# Altium PCB RaspberryHub.PcbDoc (part 1 of 2)
Units mm, origin at the board's own origin, x right, y up, seen from the top; angles counter-clockwise.
Board outline 210.48 x 102.43 mm, 2 copper layers (Top Layer, Bottom Layer); 158 components, 164 nets, 576 pads, 179 vias.
Unrouted connection lines stored in the file: 31.
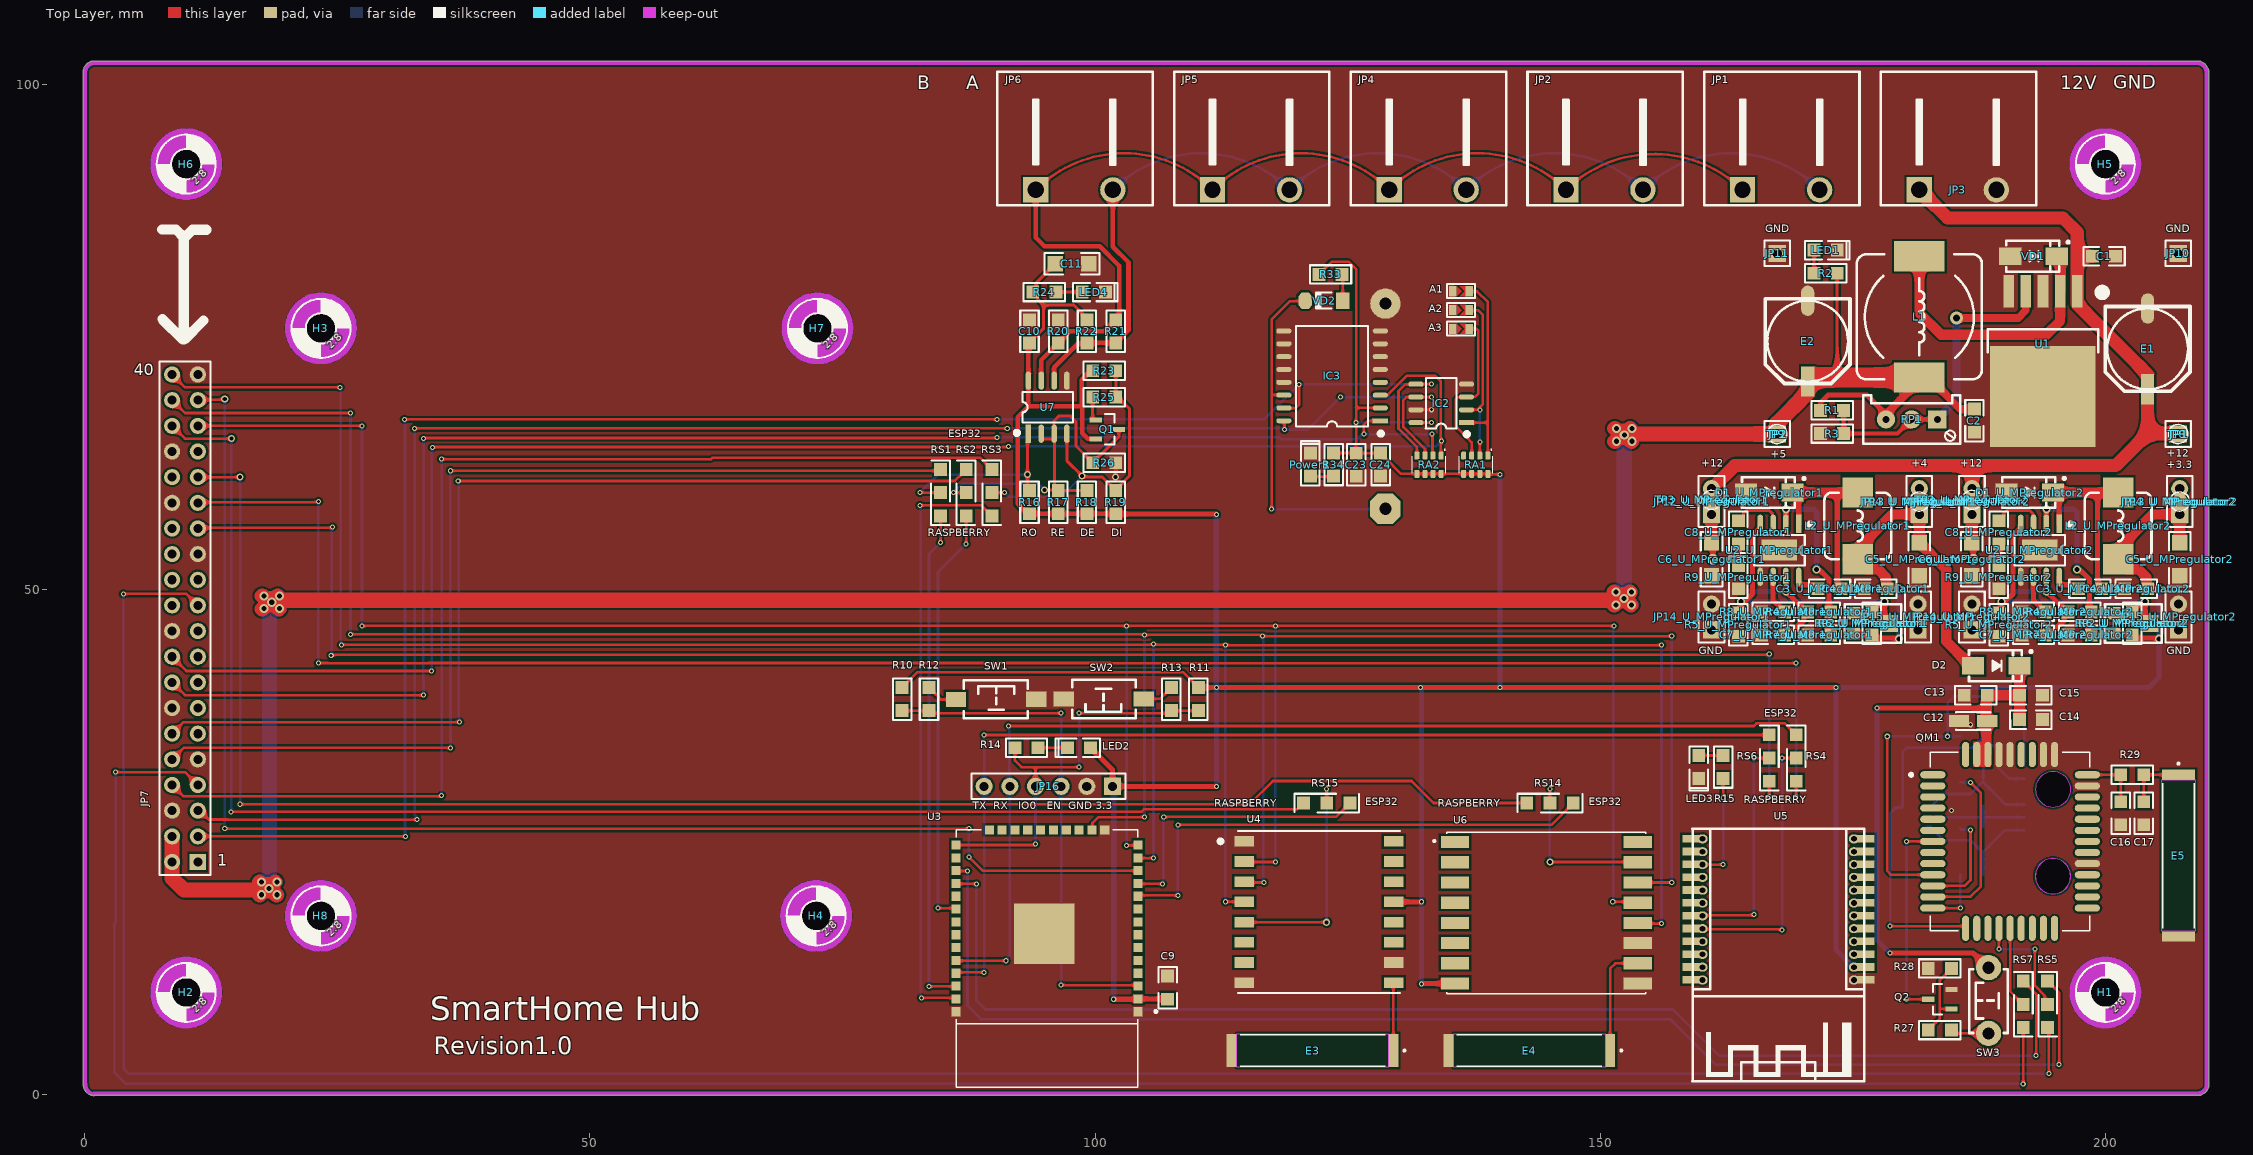
[diagram p0: Top Layer view]
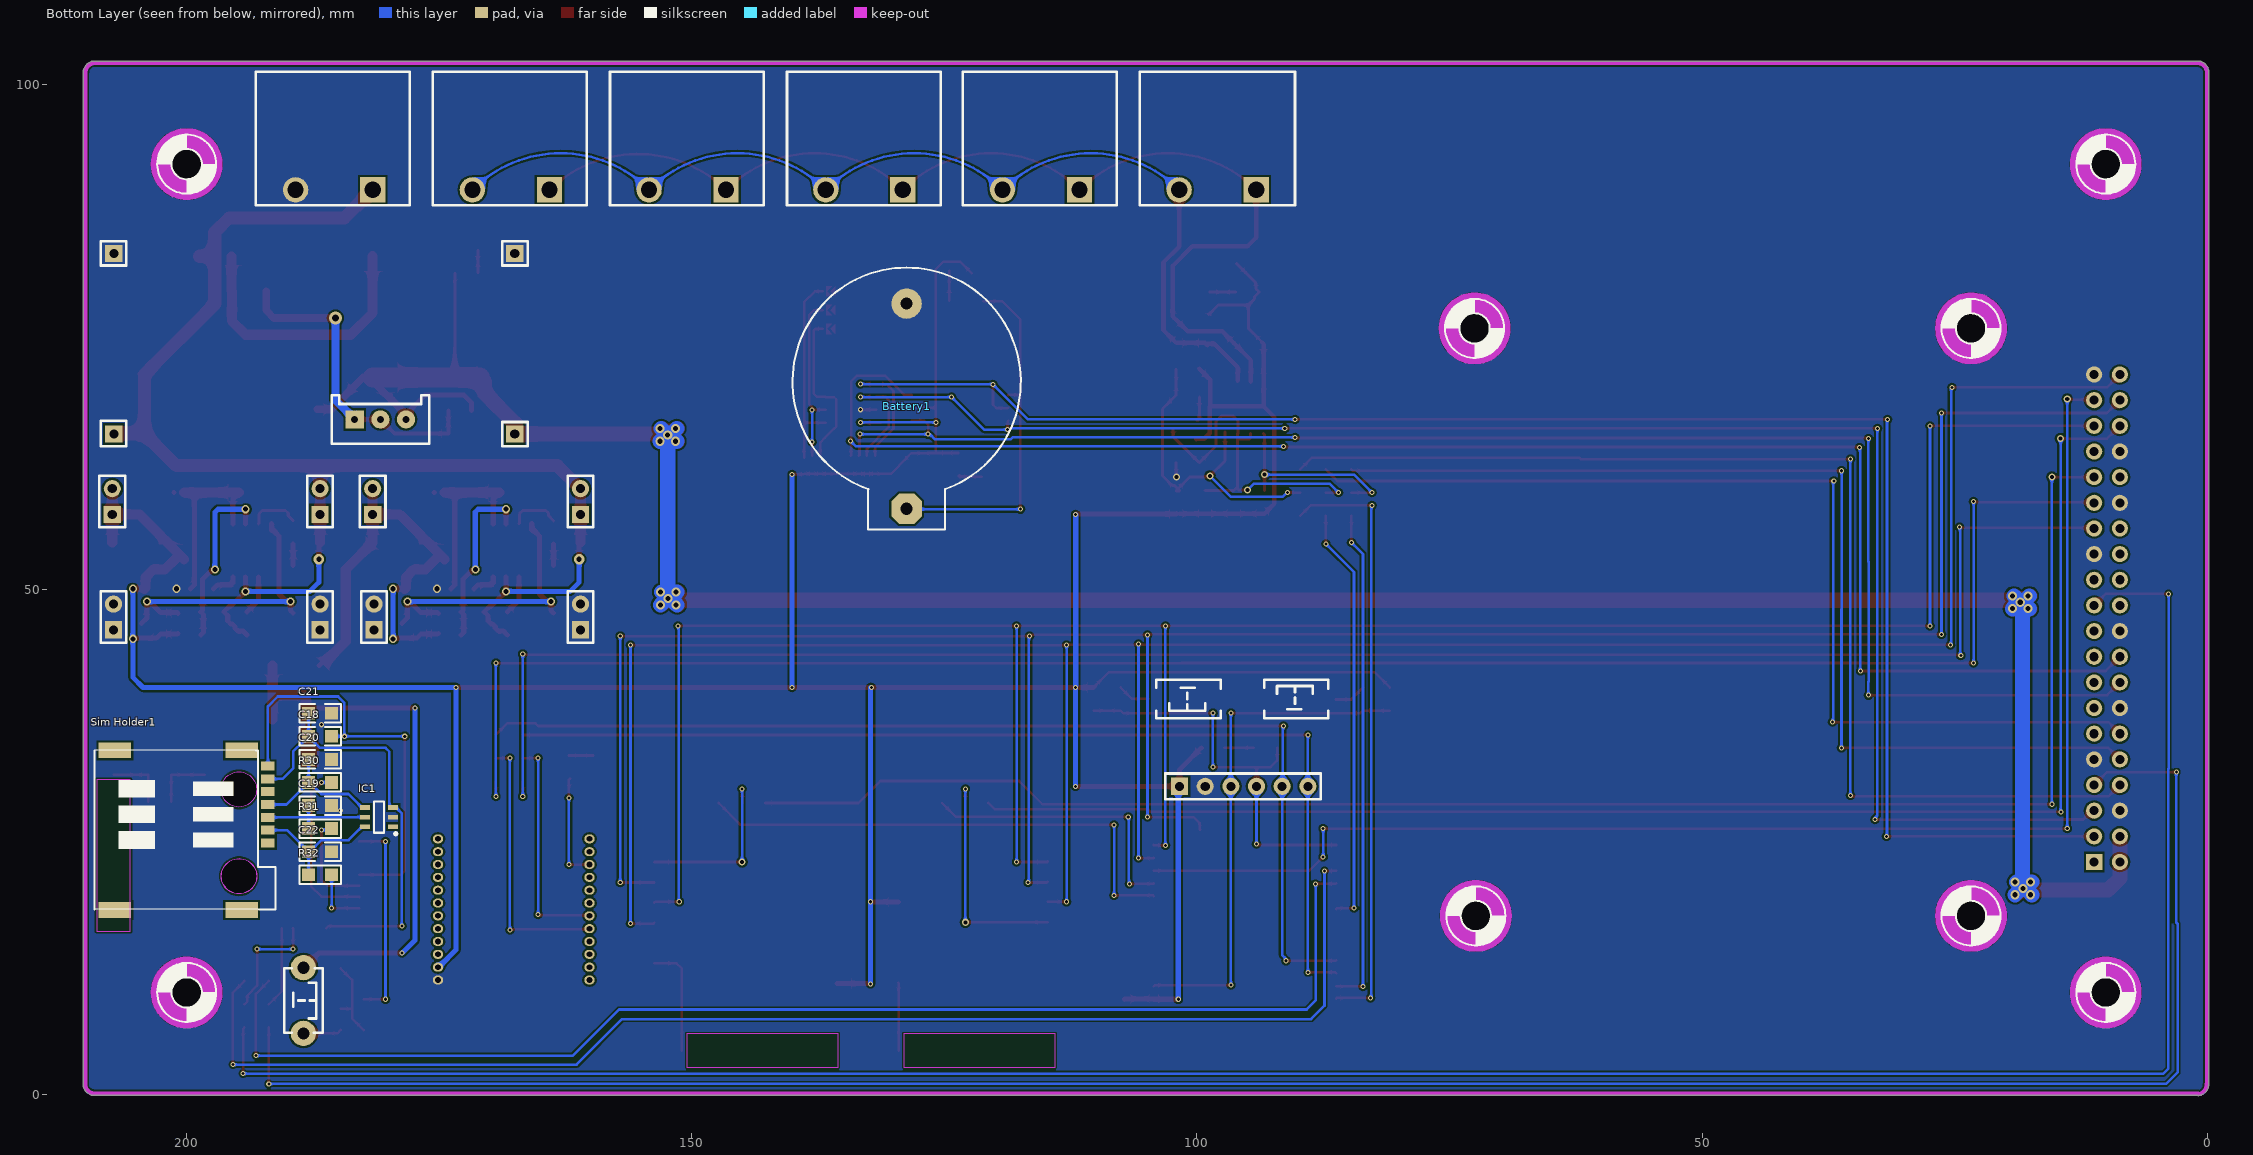
[diagram p1: Bottom Layer view, seen from below]

## Layer stack, top to bottom
Top Solder: solder mask 0.0102, Solder Resist, Dk 3.5
Top Layer: signal copper 0.0356
Dielectric 1: dielectric 0.32, FR-4, Dk 4.8
Bottom Layer: signal copper 0.0356
Bottom Solder: solder mask 0.0102, Solder Resist, Dk 3.5

## Board outline
0.839,-0.14 ccw(c0.861,0.06) 0.938,-0.125 209.068,-0.125 ccw(c209.097,0.073) 209.086,-0.127 ccw(c209.149,1.014) 209.24,-0.125 209.326,-0.125 ccw(c209.326,0.075) 209.437,-0.092 ccw(c209.149,1.014) 210.285,0.887 ccw(c210.086,0.91) 210.286,0.91 ccw(c210.086,0.91) 210.261,1.007 210.261,101.335 ccw(c210.061,101.335) 210.201,101.478 ccw(c209.106,101.148) 209.427,102.245 ccw(c209.321,102.075) 209.321,102.275 209.294,102.275 ccw(c209.107,101.15) 209.233,102.284 ccw(c209.211,102.085) 209.15,102.275 0.701,102.275 ccw(c0.701,102.075) 0.544,102.2 ccw(c0.948,101.13) -0.159,101.416 ccw(c0.011,101.31) -0.189,101.31 -0.189,1.06 ccw(c0.011,1.06) -0.178,0.992 ccw(c0.966,0.997)

## Design rules (kind name [scope] priority, off if disabled: settings)
Clearance "Schematic Clearance Constraint_7" [InComponent('H4')] p1: gap=0 ignorepadtopadclearanceinfootprint=FALSE
Clearance "Schematic Clearance Constraint_6" [InComponent('H8')] p2: gap=0 ignorepadtopadclearanceinfootprint=FALSE
Clearance "Schematic Clearance Constraint_5" [InComponent('H7')] p3: gap=0 ignorepadtopadclearanceinfootprint=FALSE
Clearance "Schematic Clearance Constraint_4" [InComponent('H3')] p4: gap=0 ignorepadtopadclearanceinfootprint=FALSE
Clearance "Schematic Clearance Constraint_3" [InComponent('H1')] p5: gap=0 ignorepadtopadclearanceinfootprint=FALSE
Clearance "Schematic Clearance Constraint_2" [InComponent('H5')] p6: gap=0 ignorepadtopadclearanceinfootprint=FALSE
Clearance "Schematic Clearance Constraint_1" [InComponent('H6')] p7: gap=0 ignorepadtopadclearanceinfootprint=FALSE
Clearance "Schematic Clearance Constraint" [InComponent('H2')] p8: gap=0 ignorepadtopadclearanceinfootprint=FALSE
Clearance [All] p9: gap=0.2 ignorepadtopadclearanceinfootprint=FALSE
ComponentClearance "Schematic Component Clearance Constraint_9" [InComponent('R6_U_MPregulator1')] p1: gap=0 collisioncheckmode=3 verticalgap=0 showdistances=FALSE
ComponentClearance "Schematic Component Clearance Constraint_8" [InComponent('TP3_U_MPregulator1')] p2: gap=0 collisioncheckmode=3 verticalgap=0 showdistances=FALSE
ComponentClearance "Schematic Component Clearance Constraint_7" [InComponent('TP4_U_MPregulator2')] p3: gap=0 collisioncheckmode=3 verticalgap=0 showdistances=FALSE
ComponentClearance "Schematic Component Clearance Constraint_6" [InComponent('RP2_U_MPregulator2')] p4: gap=0 collisioncheckmode=3 verticalgap=0 showdistances=FALSE
ComponentClearance "Schematic Component Clearance Constraint_1" [InComponent('TP1')] p5: gap=0 collisioncheckmode=3 verticalgap=0 showdistances=FALSE
ComponentClearance "Schematic Component Clearance Constraint" [InComponent('TP2')] p6: gap=0 collisioncheckmode=3 verticalgap=0 showdistances=FALSE
ComponentClearance "Schematic Component Clearance Constraint_5" [InComponent('RP2_U_MPregulator1')] p7: gap=0 collisioncheckmode=3 verticalgap=0 showdistances=FALSE
ComponentClearance "Schematic Component Clearance Constraint_4" [InComponent('TP4_U_MPregulator1')] p8: gap=0 collisioncheckmode=3 verticalgap=0 showdistances=FALSE
ComponentClearance "Schematic Component Clearance Constraint_3" [InComponent('R6_U_MPregulator2')] p9: gap=0 collisioncheckmode=3 verticalgap=0 showdistances=FALSE
ComponentClearance "Schematic Component Clearance Constraint_2" [InComponent('TP3_U_MPregulator2')] p10: gap=0 collisioncheckmode=3 verticalgap=0 showdistances=FALSE
ComponentClearance [All] p11: gap=0.254 collisioncheckmode=3 verticalgap=0.254 showdistances=FALSE
MinimumSolderMaskSliver [All] p1 off: minsoldermaskwidth=0.254
PolygonConnect PolygonConnect_2 [All vs IsNamedPolygon('GND_L02_P001')] p1: connectstyle=Direct reliefconductorwidth=0.254 reliefentries=4 polygonreliefangle="90 Angle" airgapwidth=0.254
PolygonConnect PolygonConnect_1 [All vs IsNamedPolygon('GND_L01_P000')] p2: connectstyle=Direct reliefconductorwidth=0.254 reliefentries=4 polygonreliefangle="90 Angle" airgapwidth=0.254
PolygonConnect [All] p3: connectstyle=Relief reliefconductorwidth=0.254 reliefentries=4 polygonreliefangle="90 Angle" airgapwidth=0.254
RoomDefinition U_MPregulator1 [InComponentClass('U_MPregulator1')] p1 off: confinementstyle=ConfineIn formatcopy=TRUE lockcomponents=FALSE outline 159.385,44.069 183.261,44.069 183.261,61.595 159.385,61.595
RoomDefinition U_DS3231 [InComponentClass('U_DS3231')] p2 off: confinementstyle=ConfineIn formatcopy=TRUE lockcomponents=FALSE outline 116.967,55.499 140.462,55.499 140.462,82.55 116.967,82.55
RoomDefinition U_LM2596 [InComponentClass('U_LM2596')] p3 off: confinementstyle=ConfineIn formatcopy=TRUE lockcomponents=FALSE outline 208.915,84.963 165.862,84.963 165.862,63.627 208.915,63.627
RoomDefinition U_MPregulator2 [InComponentClass('U_MPregulator2')] p4 off: confinementstyle=ConfineIn formatcopy=TRUE lockcomponents=FALSE outline 185.166,44.069 209.042,44.069 209.042,61.595 185.166,61.595
RoomDefinition U_LORA [InComponentClass('U_LORA')] p5 off: confinementstyle=ConfineIn formatcopy=TRUE lockcomponents=FALSE outline 111.76,1.905 131.191,1.905 131.191,26.67 111.76,26.67
RoomDefinition U_RF [InComponentClass('U_RF')] p6 off: confinementstyle=ConfineIn formatcopy=TRUE lockcomponents=FALSE outline 133.132,9.425 133.132,26.483 155.675,26.483 155.675,9.425
RoomDefinition U_ZIGBEE [InComponentClass('U_ZIGBEE')] p7 off: confinementstyle=ConfineIn formatcopy=TRUE lockcomponents=FALSE outline 156.845,0.889 177.546,0.889 177.546,37.719 156.845,37.719
RoomDefinition Main [InComponentClass('Main')] p8 off: confinementstyle=ConfineIn formatcopy=TRUE lockcomponents=FALSE outline -0.381,103.632 5.715,103.632 5.715,107.823 -0.381,107.823
RoomDefinition U_ESP32 [InComponentClass('U_ESP32')] p9 off: confinementstyle=ConfineIn formatcopy=TRUE lockcomponents=FALSE outline 79.756,0.127 112.141,0.127 112.141,41.529 79.756,41.529
RoomDefinition U1_MAX485 [InComponentClass('U1_MAX485')] p10 off: confinementstyle=ConfineIn formatcopy=TRUE lockcomponents=FALSE outline 103.886,56.134 103.886,85.598 91.567,85.598 91.567,56.134
RoomDefinition U_QUECTEL [InComponentClass('U_QUECTEL')] p11 off: confinementstyle=ConfineIn formatcopy=TRUE lockcomponents=FALSE outline 178.562,4.318 209.804,4.318 209.804,44.323 178.562,44.323
RoutingVias [All] p1: holewidth=0.5 width=0.9 viastyle="Through Hole" minholewidth=0.4 minwidth=0.7 maxholewidth=0.711 maxwidth=1.27
ShortCircuit [All] p1: allowed=TRUE
SilkToSilkClearance [All] p1 off: silktosilkclearance=0.254
SilkToSolderMaskClearance [IsPad] p1 off: minsilkscreentomaskgap=0.254 clearancetoexposedcopper=TRUE
SolderMaskExpansion [All] p1: expansion=0.102 istentingtop=FALSE
Width [All] p1: maxlimit=5 minlimit=0.254 preferedwidth=0.5
25 further rules are at their usual default settings.

## Classes and differential pairs
channel class MPregulator: U_MPregulator1 U_MPregulator2
component class U_MPregulator1: C3_U_MPregulator1 C4_U_MPregulator1 C5_U_MPregulator1 C6_U_MPregulator1 C7_U_MPregulator1 C8_U_MPregulator1 D1_U_MPregulator1 JP12_U_MPregulator1 JP13_U_MPregulator1 JP14_U_MPregulator1 JP15_U_MPregulator1 L2_U_MPregulator1 R4_U_MPregulator1 R5_U_MPregulator1 R6_U_MPregulator1 R7_U_MPregulator1 R8_U_MPregulator1 R9_U_MPregulator1 RP2_U_MPregulator1 TP3_U_MPregulator1 TP4_U_MPregulator1 U2_U_MPregulator1
component class U_DS3231: A1 A2 A3 Battery1 C23 C24 IC2 IC3 Power1 R33 R34 RA1 RA2 VD2
component class U_LM2596: C1 C2 E1 E2 JP8 JP9 JP10 JP11 L1 LED1 R1 R2 R3 RP1 TP1 TP2 U1 VD1
component class U_MPregulator2: C3_U_MPregulator2 C4_U_MPregulator2 C5_U_MPregulator2 C6_U_MPregulator2 C7_U_MPregulator2 C8_U_MPregulator2 D1_U_MPregulator2 JP12_U_MPregulator2 JP13_U_MPregulator2 JP14_U_MPregulator2 JP15_U_MPregulator2 L2_U_MPregulator2 R4_U_MPregulator2 R5_U_MPregulator2 R6_U_MPregulator2 R7_U_MPregulator2 R8_U_MPregulator2 R9_U_MPregulator2 RP2_U_MPregulator2 TP3_U_MPregulator2 TP4_U_MPregulator2 U2_U_MPregulator2
component class U_ZIGBEE: LED3 R15 U5
component class U_RF: E4 U6
component class U_QUECTEL: C12 C13 C14 C15 C16 C17 C18 C19 C20 C21 C22 D2 E5 IC1 Q2 QM1 R27 R28 R29 R30 R31 R32 "Sim Holder1" SW3
component class U1_MAX485: C10 C11 LED4 Q1 R16 R17 R18 R19 R20 R21 R22 R23 R24 R25 R26 U7
component class U_LORA: E3 U4
component class U_ESP32: C9 JP16 Power1 R10 R11 R12 R13 R14 SW1 SW2 U3
component class Main: H1 H2 H3 H4 H5 H6 H7 H8 JP1 JP4 JP5 JP6 JP7 RS1 RS2 RS3 RS4 RS5 RS6 RS7 RS14 RS15

## Components (designator, comment, footprint, x,y, rotation, side; value= is the part's Value field where it differs from the comment)
A1 "Solder Bridge" "Solder Bridge" 136.871,79.487 r0 top
A2 "Solder Bridge" "Solder Bridge" 136.871,77.624 r0 top
A3 "Solder Bridge" "Solder Bridge" 136.871,75.762 r0 top
Battery1 "Battery Button Cell" CR2032 128.746,68.11 r90 bottom
C1 "1uF" "C 0805" 199.898,82.962 r180 top
C2 "1uF" "C 0805" 187.071,66.675 r90 top
C3_U_MPregulator1 "100nF" "C 0805" 172.72,50.038 r0 top (schematic designator C3)
C3_U_MPregulator2 "100nF" "C 0805" 198.501,50.038 r0 top (schematic designator C3)
C4_U_MPregulator1 "100nF" "C 0805" 177.292,50.038 r0 top (schematic designator C4)
C4_U_MPregulator2 "100nF" "C 0805" 203.073,50.038 r0 top (schematic designator C4)
C5_U_MPregulator1 "10uF" "C 1206" 181.61,52.959 r90 top (schematic designator C5)
C5_U_MPregulator2 "10uF" "C 1206" 207.391,52.959 r90 top (schematic designator C5)
C6_U_MPregulator1 "10uF" "C 1206" 161.036,52.959 r270 top (schematic designator C6)
C6_U_MPregulator2 "10uF" "C 1206" 186.817,52.959 r270 top (schematic designator C6)
C7_U_MPregulator1 "100nF" "C 0805" 167.132,45.466 r0 top (schematic designator C7)
C7_U_MPregulator2 "100nF" "C 0805" 192.913,45.466 r0 top (schematic designator C7)
C8_U_MPregulator1 "220pF" "C 0805" 163.703,55.626 r270 top (schematic designator C8)
C8_U_MPregulator2 "220pF" "C 0805" 189.484,55.626 r270 top (schematic designator C8)
C9 "22uF" "C 0805" 107.188,10.541 r90 top
C10 "0.1uF" "C 0805" 93.515,75.514 r90 top
C11 "10uF" "C 1206" 97.715,82.214 r0 top
C12 "100uF" "CD A(3216)" 186.944,36.957 r180 top
C13 "33pF" "C 0805" 187.198,39.497 r0 top
C14 "100nF" "C 0805" 192.659,37.084 r180 top
C15 "10pF" "C 0805" 192.659,39.497 r180 top
C16 "Value" "C 0805" 201.549,27.813 r90 top
C17 "Value" "C 0805" 203.835,27.813 r90 top
C18 "100nF" "C 0805" 186.817,35.433 r0 bottom
C19 "33pF" "C 0805" 186.817,28.575 r0 bottom
C20 "33pF" "C 0805" 186.817,33.147 r0 bottom
C21 "33pF" "C 0805" 186.817,37.719 r0 bottom
C22 "33pF" "C 0805" 186.817,24.003 r0 bottom
C23 "100nF" "C 0805" 125.871,62.312 r270 top
C24 "100nF" "C 0805" 128.271,62.337 r90 top
D1_U_MPregulator1 "SS34" SMA 166.751,59.563 r0 top (schematic designator D1)
D1_U_MPregulator2 "SS34" SMA 192.532,59.563 r0 top (schematic designator D1)
D2 "M7" SMA 189.23,42.418 r0 top
E1 "100uF/50V" "CM E(8*10.2)" 204.216,73.787 r270 top
E2 "220uF/35V" "CM E(8*10.2)" 170.561,74.549 r270 top
E3 "Ceramic Antenna" Ceramic_915M 121.539,4.318 r180 top
E4 "Ceramic Antenna" Ceramic_915M 143.002,4.318 r180 top
E5 "Ceramic Antenna" Ceramic_915M 207.264,23.623 r270 top
H1 "HOLE" P2.8 200.025,10.075 r0 top locked
H2 "HOLE" P2.8 10.025,10.075 r0 top locked
H3 "HOLE" P2.8 23.368,75.819 r0 top locked
H4 "HOLE" P2.8 72.39,17.653 r0 top
H5 "HOLE" P2.8 200.025,92.075 r0 top locked
H6 "HOLE" P2.8 10.025,92.075 r0 top locked
H7 "HOLE" P2.8 72.517,75.819 r0 top
H8 "HOLE" P2.8 23.368,17.653 r0 top
IC1 "SMF05C" SOT23-6L 180.975,27.432 r90 bottom
IC2 "24Cxx" SOP8_L 134.271,68.387 r180 top
IC3 "DS3231" SOP16W_L 123.471,71.112 r180 top
JP1 "KF2GDK-7.62" KF2EDGK-2P_H_7.62 164.115,89.535 r0 top
JP2 "KF2GDK-7.62" KF2EDGK-2P_H_7.62 146.62,89.535 r0 top
JP3 "HDR-1X2" KF2EDGK-2P_H_7.62 181.61,89.535 r0 top
JP4 "KF2GDK-7.62" KF2EDGK-2P_H_7.62 129.125,89.535 r0 top
JP5 "KF2GDK-7.62" KF2EDGK-2P_H_7.62 111.63,89.535 r0 top
JP6 "KF2GDK-7.62" KF2EDGK-2P_H_7.62 94.136,89.535 r0 top
JP7 "Header 2X11" HDR-20X2 11.176,22.987 r90 top
JP8 "HDR-1X1" HDR-1X1 207.236,65.356 r180 top
JP9 "HDR-1X1" HDR-1X1 167.541,65.356 r180 top
JP10 "HDR-1X1" HDR-1X1 207.236,83.243 r180 top
JP11 "HDR-1X1" HDR-1X1 167.541,83.243 r180 top
JP12_U_MPregulator1 "HDR-1X2" HDR-1X2 161.036,57.404 r90 top (schematic designator JP12)
JP12_U_MPregulator2 "HDR-1X2" HDR-1X2 186.817,57.404 r90 top (schematic designator JP12)
JP13_U_MPregulator1 "HDR-1X2" HDR-1X2 181.61,57.404 r90 top (schematic designator JP13)
JP13_U_MPregulator2 "HDR-1X2" HDR-1X2 207.391,57.404 r90 top (schematic designator JP13)
JP14_U_MPregulator1 "HDR-1X2" HDR-1X2 161.036,45.974 r90 top (schematic designator JP14)
JP14_U_MPregulator2 "HDR-1X2" HDR-1X2 186.817,45.974 r90 top (schematic designator JP14)
JP15_U_MPregulator1 "HDR-1X2" HDR-1X2 181.483,45.974 r90 top (schematic designator JP15)
JP15_U_MPregulator2 "HDR-1X2" HDR-1X2 207.264,45.974 r90 top (schematic designator JP15)
JP16 "HDR-1X6" HDR-1X6 101.727,30.48 r180 top
L1 "470uH" CDRH127 181.61,76.962 r270 top
L2_U_MPregulator1 "4.7uH" WHC0630 175.514,56.261 r270 top (schematic designator L2)
L2_U_MPregulator2 "4.7uH" WHC0630 201.295,56.261 r270 top (schematic designator L2)
LED1 "LED-SMD" "LED 0805R" 172.339,83.566 r0 top
LED2 "LED-SMD" "LED 0805B" 98.425,34.29 r180 top
LED3 "LED-SMD" "LED 0805B" 159.766,32.385 r270 top
LED4 "LED-SMD" "LED 0805R" 99.88,79.414 r0 top
Power1 "LED-SMD" "LED 0805R" 121.321,62.337 r90 top
Q1 "SS8550" SOT23-3N 101.215,65.814 r270 top
Q2 "SS8050" SOT23-3N 183.642,9.398 r90 top
QM1 "M66FB-03-STD" "Quectel M66FB" 181.707,27.053 r90 top
R1 "Value" "R 0805" 172.974,67.691 r180 top
R2 "1K" "R 0805" 172.339,81.28 r0 top